# KiCad board unibone.kicad_pcb
title: UniBone Quad Height Flip Chip; date: 2018-04-27; rev: V1.0; company: retrocmp.com; note: Joerg Hoppe
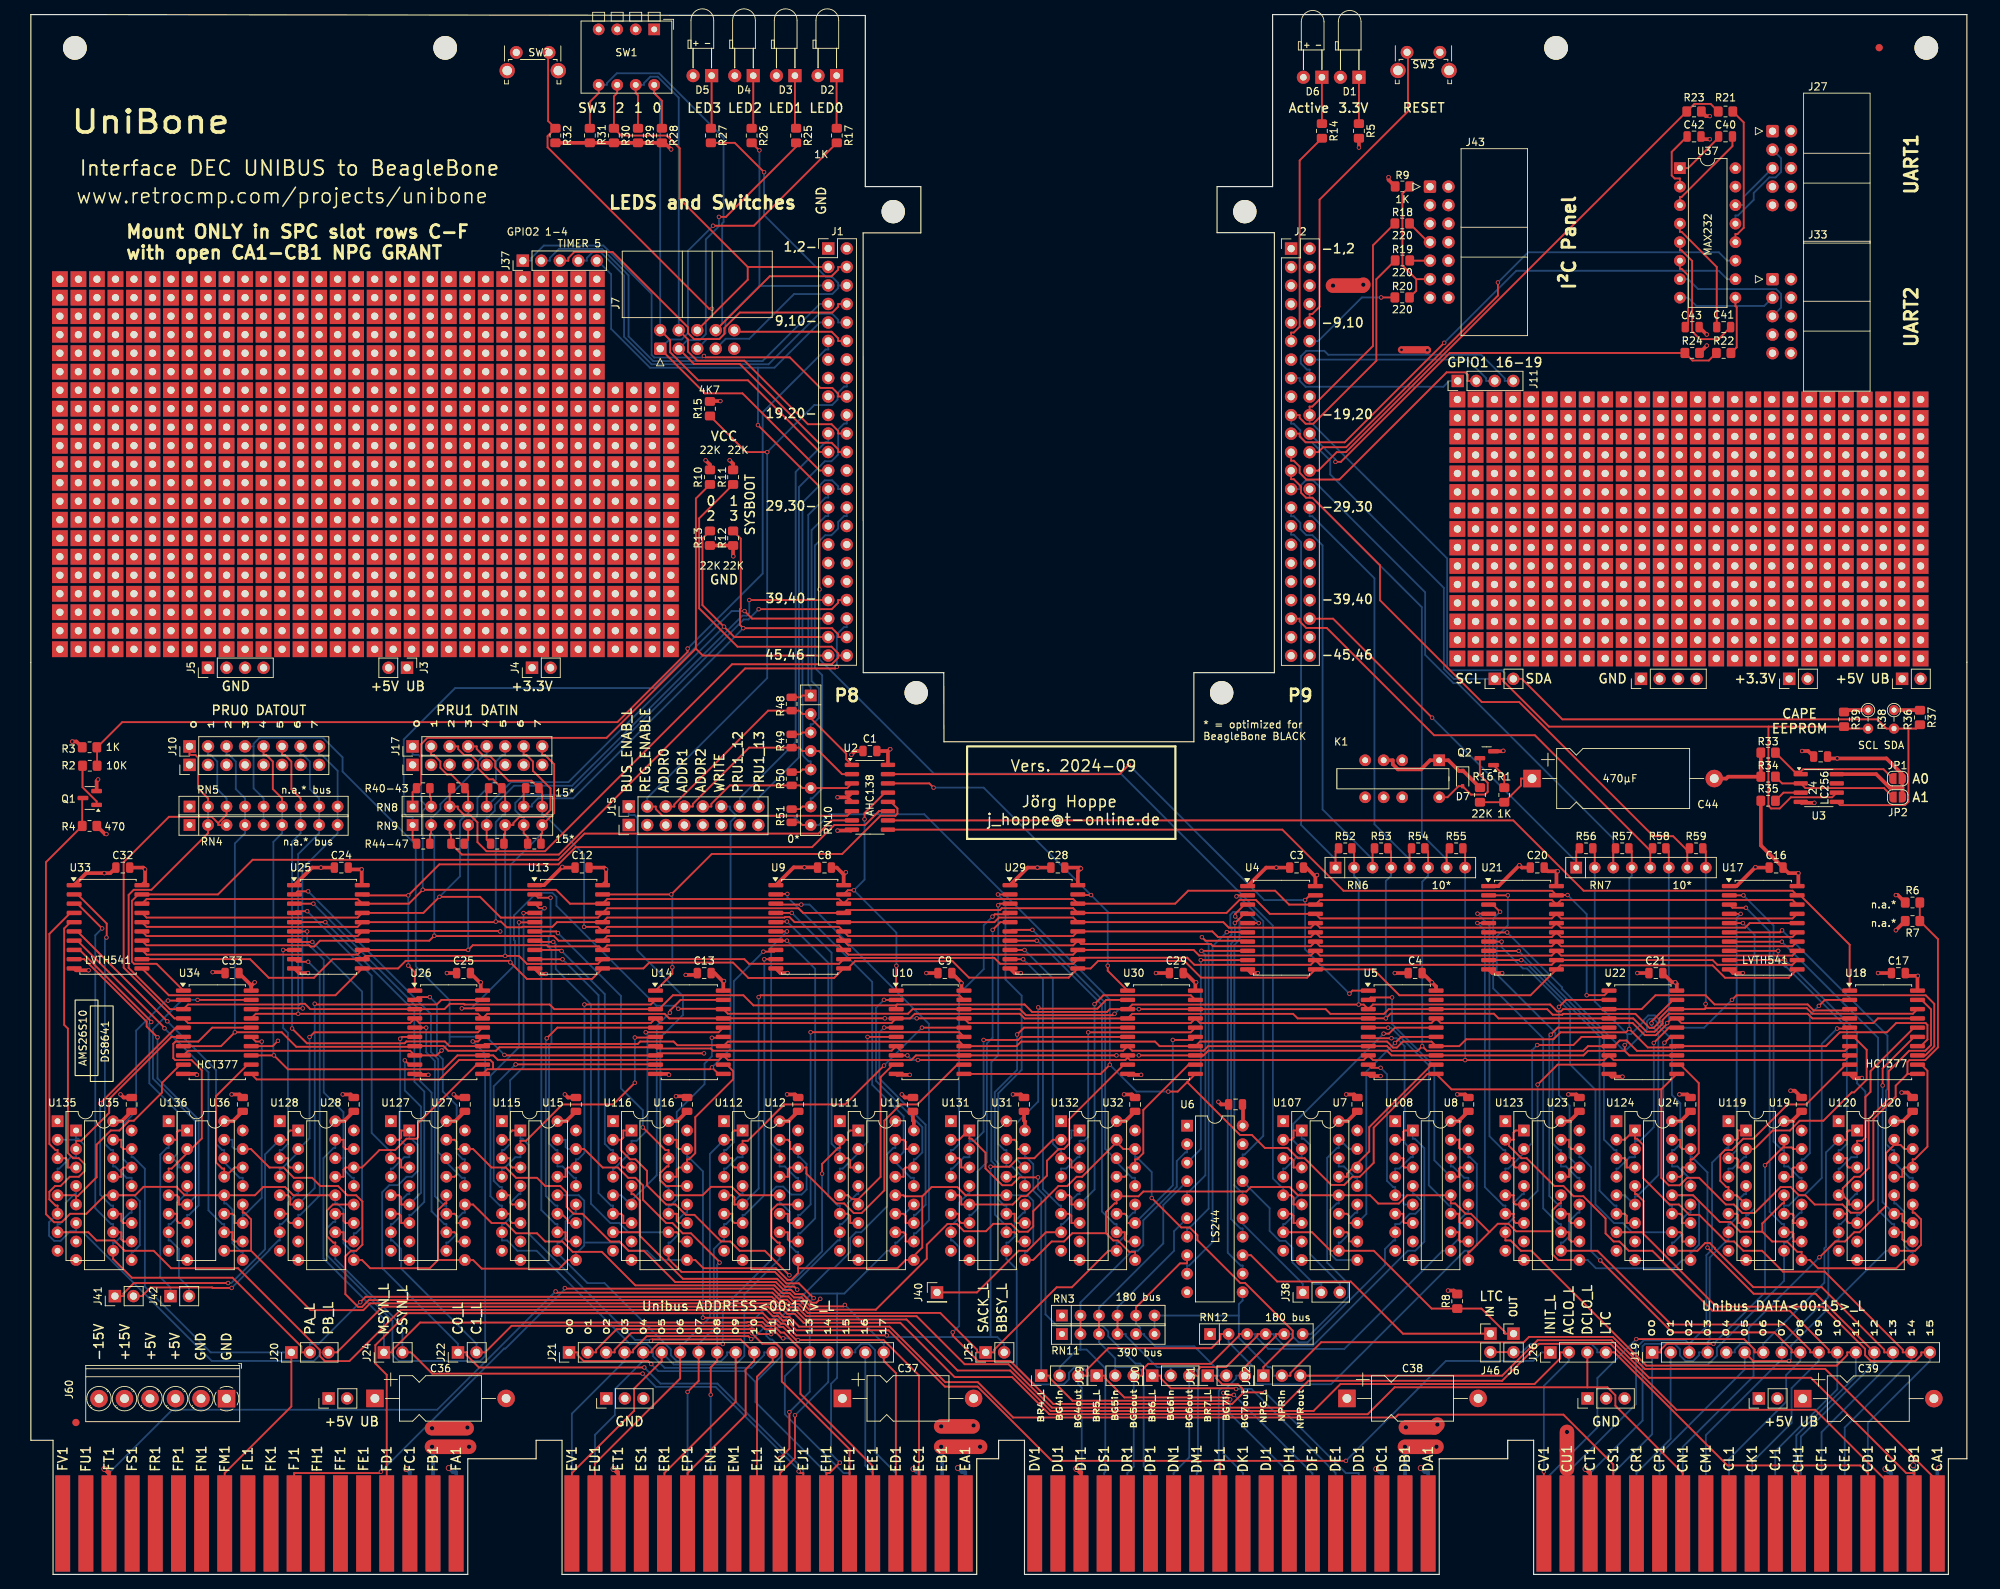
[diagram p0: board, top side]
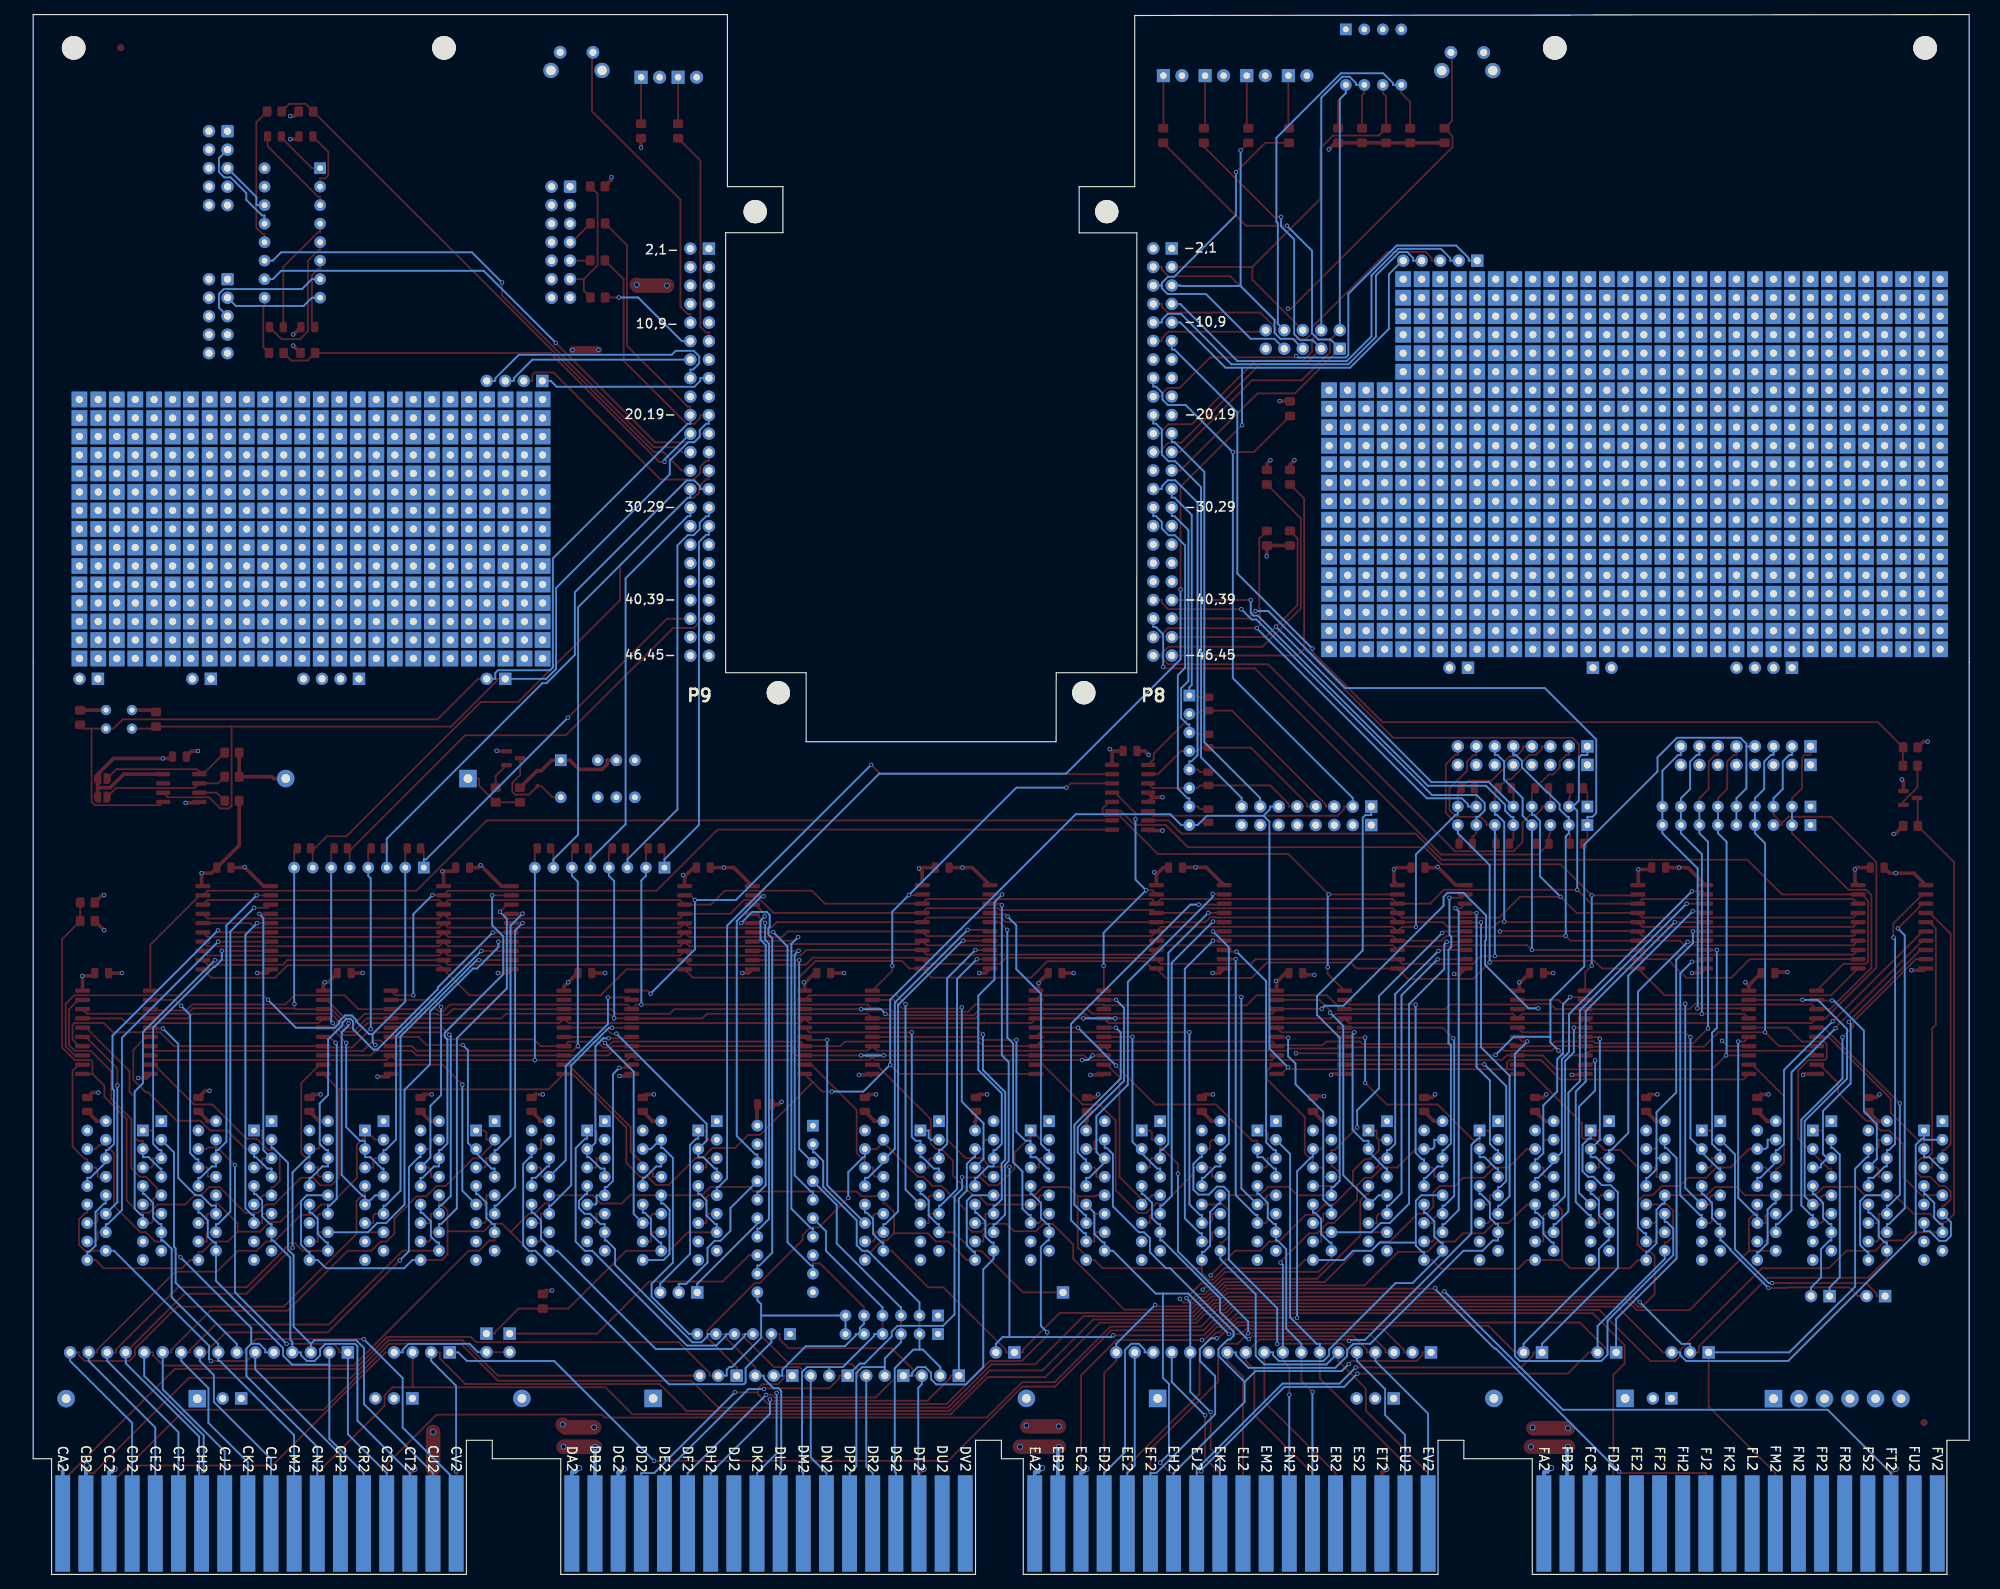
[diagram p1: board, bottom side, seen from below]

Outline 265.61 x 214.12 mm; copper layers: Top, In1.Cu (plane), In2.Cu (plane), Bottom. Coordinates in mm from the lower left corner of the outline.
Outline path: 0,214.12 0,18.41 3.05,18.41 3.05,0 59.94,0 59.94,15.88 69.32,15.88 69.32,18.41 72.87,18.41 72.87,0 129.77,0 129.77,15.88 132.77,15.88 132.77,18.41 136.32,18.41 136.32,0 193.22,0 193.22,15.88 202.62,15.88 202.62,18.41 206.17,18.41 206.17,0 263.07,0 263.07,15.88 265.61,15.88 265.61,214.12 170.36,214.12 170.36,190.5 162.74,190.5 162.74,184.18 170.6,184.18 170.6,123.78 159.56,123.78 159.56,114.3 125.27,114.3 125.25,123.78 114.2,123.78 114.18,184.15 122.1,184.15 122.1,190.5 114.48,190.5 114.48,214 0,214.12

## Placement (name value [footprint] x y rotation side)
_191105121140_0  -  [Lochraster_Square_breit]  226.15 158.75 0 top
_191105121140_1  -  [Lochraster_Square_breit]  223.61 158.75 0 top
_191105121140_2  -  [Lochraster_Square_breit]  221.07 158.75 0 top
_191105121140_3  -  [Lochraster_Square_breit]  223.61 156.21 0 top
_191105121140_4  -  [Lochraster_Square_breit]  226.15 156.21 0 top
_191105121140_5  -  [Lochraster_Square_breit]  221.07 156.21 0 top
_191105121140_6  -  [Lochraster_Square_breit]  221.07 153.67 0 top
_191105121140_7  -  [Lochraster_Square_breit]  223.61 153.67 0 top
_191105121140_8  -  [Lochraster_Square_breit]  221.07 151.13 0 top
_191105121140_9  -  [Lochraster_Square_breit]  226.15 153.67 0 top
_191105121140_10  -  [Lochraster_Square_breit]  223.61 151.13 0 top
_191105121140_11  -  [Lochraster_Square_breit]  226.15 151.13 0 top
_191105121140_12  -  [Lochraster_Square_breit]  223.61 148.59 0 top
_191105121140_13  -  [Lochraster_Square_breit]  221.07 148.59 0 top
_191105121140_14  -  [Lochraster_Square_breit]  226.15 148.59 0 top
_191105121140_15  -  [Lochraster_Square_breit]  221.07 146.05 0 top
_191105121140_16  -  [Lochraster_Square_breit]  223.61 146.05 0 top
_191105121140_17  -  [Lochraster_Square_breit]  226.15 146.05 0 top
_191105121140_18  -  [Lochraster_Square_breit]  223.61 143.51 0 top
_191105121140_19  -  [Lochraster_Square_breit]  221.07 143.51 0 top
_191105121140_20  -  [Lochraster_Square_breit]  226.15 143.51 0 top
_191105121140_21  -  [Lochraster_Square_breit]  226.15 138.43 0 top
_191105121140_22  -  [Lochraster_Square_breit]  226.15 140.97 0 top
_191105121140_23  -  [Lochraster_Square_breit]  221.07 140.97 0 top
_191105121140_24  -  [Lochraster_Square_breit]  221.07 138.43 0 top
_191105121140_25  -  [Lochraster_Square_breit]  223.61 138.43 0 top
_191105121140_26  -  [Lochraster_Square_breit]  223.61 140.97 0 top
_191105121140_27  -  [Lochraster_Square_breit]  223.61 135.89 0 top
_191105121140_28  -  [Lochraster_Square_breit]  221.07 135.89 0 top
_191105121140_29  -  [Lochraster_Square_breit]  226.15 135.89 0 top
_191105121140_30  -  [Lochraster_Square_breit]  221.07 133.35 0 top
_191105121140_31  -  [Lochraster_Square_breit]  226.15 133.35 0 top
_191105121140_32  -  [Lochraster_Square_breit]  223.61 133.35 0 top
_191105121140_33  -  [Lochraster_Square_breit]  226.15 130.81 0 top
_191105121140_34  -  [Lochraster_Square_breit]  221.07 130.81 0 top
_191105121140_35  -  [Lochraster_Square_breit]  223.61 130.81 0 top
_191105121140_36  -  [Lochraster_Square_breit]  226.15 128.27 0 top
_191105121140_37  -  [Lochraster_Square_breit]  223.61 161.29 0 top
_191105121140_38  -  [Lochraster_Square_breit]  223.61 128.27 0 top
_191105121140_39  -  [Lochraster_Square_breit]  221.07 161.29 0 top
_191105121140_40  -  [Lochraster_Square_breit]  226.15 161.29 0 top
_191105121140_41  -  [Lochraster_Square_breit]  221.07 128.27 0 top
_191105121140_42  -  [Lochraster_Square_breit]  223.61 125.73 0 top
_191105121140_43  -  [Lochraster_Square_breit]  221.07 125.73 0 top
_191105121140_44  -  [Lochraster_Square_breit]  226.15 125.73 0 top
_191105121140_45  -  [Lochraster_Square_breit]  218.53 158.75 0 top
_191105121140_46  -  [Lochraster_Square_breit]  215.99 158.75 0 top
_191105121140_47  -  [Lochraster_Square_breit]  213.45 158.75 0 top
_191105121140_48  -  [Lochraster_Square_breit]  210.91 158.75 0 top
_191105121140_49  -  [Lochraster_Square_breit]  208.37 158.75 0 top
_191105121140_50  -  [Lochraster_Square_breit]  210.91 156.21 0 top
_191105121140_51  -  [Lochraster_Square_breit]  213.45 156.21 0 top
_191105121140_52  -  [Lochraster_Square_breit]  208.37 156.21 0 top
_191105121140_53  -  [Lochraster_Square_breit]  208.37 153.67 0 top
_191105121140_54  -  [Lochraster_Square_breit]  210.91 153.67 0 top
_191105121140_55  -  [Lochraster_Square_breit]  215.99 156.21 0 top
_191105121140_56  -  [Lochraster_Square_breit]  218.53 156.21 0 top
_191105121140_57  -  [Lochraster_Square_breit]  215.99 153.67 0 top
_191105121140_58  -  [Lochraster_Square_breit]  218.53 153.67 0 top
_191105121140_59  -  [Lochraster_Square_breit]  208.37 151.13 0 top
_191105121140_60  -  [Lochraster_Square_breit]  213.45 153.67 0 top
_191105121140_61  -  [Lochraster_Square_breit]  210.91 151.13 0 top
_191105121140_62  -  [Lochraster_Square_breit]  218.53 151.13 0 top
_191105121140_63  -  [Lochraster_Square_breit]  215.99 151.13 0 top
_191105121140_64  -  [Lochraster_Square_breit]  213.45 151.13 0 top
_191105121140_65  -  [Lochraster_Square_breit]  210.91 148.59 0 top
_191105121140_66  -  [Lochraster_Square_breit]  208.37 148.59 0 top
_191105121140_67  -  [Lochraster_Square_breit]  213.45 148.59 0 top
_191105121140_68  -  [Lochraster_Square_breit]  208.37 146.05 0 top
_191105121140_69  -  [Lochraster_Square_breit]  210.91 146.05 0 top
_191105121140_70  -  [Lochraster_Square_breit]  215.99 146.05 0 top
_191105121140_71  -  [Lochraster_Square_breit]  218.53 146.05 0 top
_191105121140_72  -  [Lochraster_Square_breit]  213.45 146.05 0 top
_191105121140_73  -  [Lochraster_Square_breit]  218.53 148.59 0 top
_191105121140_74  -  [Lochraster_Square_breit]  215.99 148.59 0 top
_191105121140_75  -  [Lochraster_Square_breit]  218.53 143.51 0 top
_191105121140_76  -  [Lochraster_Square_breit]  210.91 143.51 0 top
_191105121140_77  -  [Lochraster_Square_breit]  208.37 143.51 0 top
_191105121140_78  -  [Lochraster_Square_breit]  215.99 143.51 0 top
_191105121140_79  -  [Lochraster_Square_breit]  213.45 143.51 0 top
_191105121140_80  -  [Lochraster_Square_breit]  213.45 138.43 0 top
_191105121140_81  -  [Lochraster_Square_breit]  213.45 140.97 0 top
_191105121140_82  -  [Lochraster_Square_breit]  208.37 140.97 0 top
_191105121140_83  -  [Lochraster_Square_breit]  215.99 140.97 0 top
_191105121140_84  -  [Lochraster_Square_breit]  208.37 138.43 0 top
_191105121140_85  -  [Lochraster_Square_breit]  218.53 138.43 0 top
_191105121140_86  -  [Lochraster_Square_breit]  210.91 138.43 0 top
_191105121140_87  -  [Lochraster_Square_breit]  218.53 140.97 0 top
_191105121140_88  -  [Lochraster_Square_breit]  210.91 140.97 0 top
_191105121140_89  -  [Lochraster_Square_breit]  218.53 135.89 0 top
_191105121140_90  -  [Lochraster_Square_breit]  210.91 135.89 0 top
_191105121140_91  -  [Lochraster_Square_breit]  208.37 135.89 0 top
_191105121140_92  -  [Lochraster_Square_breit]  213.45 135.89 0 top
_191105121140_93  -  [Lochraster_Square_breit]  208.37 133.35 0 top
_191105121140_94  -  [Lochraster_Square_breit]  215.99 138.43 0 top
_191105121140_95  -  [Lochraster_Square_breit]  215.99 135.89 0 top
_191105121140_96  -  [Lochraster_Square_breit]  213.45 133.35 0 top
_191105121140_97  -  [Lochraster_Square_breit]  210.91 133.35 0 top
_191105121140_98  -  [Lochraster_Square_breit]  218.53 133.35 0 top
_191105121140_99  -  [Lochraster_Square_breit]  213.45 130.81 0 top
_191105121140_100  -  [Lochraster_Square_breit]  215.99 133.35 0 top
_191105121140_101  -  [Lochraster_Square_breit]  208.37 130.81 0 top
_191105121140_102  -  [Lochraster_Square_breit]  210.91 130.81 0 top
_191105121140_103  -  [Lochraster_Square_breit]  213.45 128.27 0 top
_191105121140_104  -  [Lochraster_Square_breit]  210.91 161.29 0 top
_191105121140_105  -  [Lochraster_Square_breit]  218.53 161.29 0 top
_191105121140_106  -  [Lochraster_Square_breit]  210.91 128.27 0 top
_191105121140_107  -  [Lochraster_Square_breit]  208.37 161.29 0 top
_191105121140_108  -  [Lochraster_Square_breit]  215.99 161.29 0 top
_191105121140_109  -  [Lochraster_Square_breit]  213.45 161.29 0 top
_191105121140_110  -  [Lochraster_Square_breit]  215.99 128.27 0 top
_191105121140_111  -  [Lochraster_Square_breit]  218.53 128.27 0 top
_191105121140_112  -  [Lochraster_Square_breit]  208.37 128.27 0 top
_191105121140_113  -  [Lochraster_Square_breit]  218.53 130.81 0 top
_191105121140_114  -  [Lochraster_Square_breit]  215.99 130.81 0 top
_191105121140_115  -  [Lochraster_Square_breit]  215.99 125.73 0 top
_191105121140_116  -  [Lochraster_Square_breit]  218.53 125.73 0 top
_191105121140_117  -  [Lochraster_Square_breit]  210.91 125.73 0 top
_191105121140_118  -  [Lochraster_Square_breit]  208.37 125.73 0 top
_191105121140_119  -  [Lochraster_Square_breit]  213.45 125.73 0 top
_191105121140_120  -  [Lochraster_Square_breit]  16.69 177.8 0 top
_191105121140_122  -  [Lochraster_Square_breit]  34.47 177.8 0 top
_191105121140_124  -  [Lochraster_Square_breit]  47.17 177.8 0 top
_191105121140_125  -  [Lochraster_Square_breit]  19.23 177.8 0 top
_191105121140_126  -  [Lochraster_Square_breit]  57.33 177.8 0 top
_191105121140_128  -  [Lochraster_Square_breit]  67.49 177.8 0 top
_191105121140_129  -  [Lochraster_Square_breit]  42.09 177.8 0 top
_191105121140_130  -  [Lochraster_Square_breit]  39.55 177.8 0 top
_191105121140_131  -  [Lochraster_Square_breit]  3.99 177.8 0 top
_191105121140_132  -  [Lochraster_Square_breit]  75.11 177.8 0 top
_191105121140_133  -  [Lochraster_Square_breit]  21.77 177.8 0 top
_191105121140_135  -  [Lochraster_Square_breit]  64.95 177.8 0 top
_191105121140_136  -  [Lochraster_Square_breit]  77.65 177.8 0 top
_191105121140_137  -  [Lochraster_Square_breit]  14.15 177.8 0 top
_191105121140_138  -  [Lochraster_Square_breit]  6.53 177.8 0 top
_191105121140_139  -  [Lochraster_Square_breit]  11.61 177.8 0 top
_191105121140_140  -  [Lochraster_Square_breit]  29.39 177.8 0 top
_191105121140_141  -  [Lochraster_Square_breit]  26.85 177.8 0 top
_191105121140_142  -  [Lochraster_Square_breit]  37.01 177.8 0 top
_191105121140_143  -  [Lochraster_Square_breit]  24.31 177.8 0 top
_191105121140_144  -  [Lochraster_Square_breit]  59.87 177.8 0 top
_191105121140_145  -  [Lochraster_Square_breit]  62.41 177.8 0 top
_191105121140_146  -  [Lochraster_Square_breit]  49.71 177.8 0 top
_191105121140_147  -  [Lochraster_Square_breit]  72.57 177.8 0 top
_191105121140_148  -  [Lochraster_Square_breit]  70.03 177.8 0 top
_191105121140_149  -  [Lochraster_Square_breit]  54.79 177.8 0 top
_191105121140_151  -  [Lochraster_Square_breit]  52.25 177.8 0 top
_191105121140_152  -  [Lochraster_Square_breit]  44.63 177.8 0 top
_191105121140_153  -  [Lochraster_Square_breit]  31.93 177.8 0 top
_191105121140_154  -  [Lochraster_Square_breit]  9.07 177.8 0 top
_191105121140_155  -  [Lochraster_Square_breit]  37.01 175.26 0 top
_191105121140_156  -  [Lochraster_Square_breit]  24.31 175.26 0 top
_191105121140_157  -  [Lochraster_Square_breit]  54.79 175.26 0 top
_191105121140_158  -  [Lochraster_Square_breit]  16.69 175.26 0 top
_191105121140_159  -  [Lochraster_Square_breit]  52.25 175.26 0 top
_191105121140_160  -  [Lochraster_Square_breit]  59.87 175.26 0 top
_191105121140_162  -  [Lochraster_Square_breit]  47.17 175.26 0 top
_191105121140_163  -  [Lochraster_Square_breit]  11.61 175.26 0 top
_191105121140_164  -  [Lochraster_Square_breit]  19.23 175.26 0 top
_191105121140_165  -  [Lochraster_Square_breit]  57.33 175.26 0 top
_191105121140_166  -  [Lochraster_Square_breit]  70.03 175.26 0 top
_191105121140_167  -  [Lochraster_Square_breit]  34.47 175.26 0 top
_191105121140_169  -  [Lochraster_Square_breit]  49.71 175.26 0 top
_191105121140_170  -  [Lochraster_Square_breit]  44.63 175.26 0 top
_191105121140_171  -  [Lochraster_Square_breit]  26.85 175.26 0 top
_191105121140_172  -  [Lochraster_Square_breit]  31.93 175.26 0 top
_191105121140_173  -  [Lochraster_Square_breit]  67.49 175.26 0 top
_191105121140_174  -  [Lochraster_Square_breit]  42.09 175.26 0 top
_191105121140_175  -  [Lochraster_Square_breit]  39.55 175.26 0 top
_191105121140_176  -  [Lochraster_Square_breit]  64.95 175.26 0 top
_191105121140_179  -  [Lochraster_Square_breit]  21.77 175.26 0 top
_191105121140_180  -  [Lochraster_Square_breit]  29.39 175.26 0 top
_191105121140_181  -  [Lochraster_Square_breit]  3.99 175.26 0 top
_191105121140_183  -  [Lochraster_Square_breit]  77.65 175.26 0 top
_191105121140_184  -  [Lochraster_Square_breit]  62.41 175.26 0 top
_191105121140_185  -  [Lochraster_Square_breit]  14.15 175.26 0 top
_191105121140_186  -  [Lochraster_Square_breit]  9.07 175.26 0 top
_191105121140_187  -  [Lochraster_Square_breit]  75.11 175.26 0 top
_191105121140_188  -  [Lochraster_Square_breit]  72.57 175.26 0 top
_191105121140_189  -  [Lochraster_Square_breit]  6.53 175.26 0 top
_191105121140_190  -  [Lochraster_Square_breit]  37.01 172.72 0 top
_191105121140_191  -  [Lochraster_Square_breit]  54.79 172.72 0 top
_191105121140_192  -  [Lochraster_Square_breit]  24.31 172.72 0 top
_191105121140_193  -  [Lochraster_Square_breit]  16.69 172.72 0 top
_191105121140_194  -  [Lochraster_Square_breit]  52.25 172.72 0 top
_191105121140_195  -  [Lochraster_Square_breit]  59.87 172.72 0 top
_191105121140_197  -  [Lochraster_Square_breit]  47.17 172.72 0 top
_191105121140_198  -  [Lochraster_Square_breit]  11.61 172.72 0 top
_191105121140_199  -  [Lochraster_Square_breit]  3.99 172.72 0 top
_191105121140_200  -  [Lochraster_Square_breit]  19.23 172.72 0 top
_191105121140_202  -  [Lochraster_Square_breit]  70.03 172.72 0 top
_191105121140_203  -  [Lochraster_Square_breit]  57.33 172.72 0 top
_191105121140_204  -  [Lochraster_Square_breit]  34.47 172.72 0 top
_191105121140_206  -  [Lochraster_Square_breit]  49.71 172.72 0 top
_191105121140_207  -  [Lochraster_Square_breit]  26.85 172.72 0 top
_191105121140_208  -  [Lochraster_Square_breit]  31.93 172.72 0 top
_191105121140_209  -  [Lochraster_Square_breit]  67.49 172.72 0 top
_191105121140_210  -  [Lochraster_Square_breit]  42.09 172.72 0 top
_191105121140_211  -  [Lochraster_Square_breit]  44.63 172.72 0 top
_191105121140_212  -  [Lochraster_Square_breit]  9.07 172.72 0 top
_191105121140_213  -  [Lochraster_Square_breit]  39.55 172.72 0 top
_191105121140_214  -  [Lochraster_Square_breit]  64.95 172.72 0 top
_191105121140_215  -  [Lochraster_Square_breit]  77.65 172.72 0 top
_191105121140_216  -  [Lochraster_Square_breit]  72.57 172.72 0 top
_191105121140_219  -  [Lochraster_Square_breit]  75.11 172.72 0 top
_191105121140_220  -  [Lochraster_Square_breit]  21.77 172.72 0 top
_191105121140_221  -  [Lochraster_Square_breit]  62.41 172.72 0 top
_191105121140_222  -  [Lochraster_Square_breit]  29.39 172.72 0 top
_191105121140_223  -  [Lochraster_Square_breit]  14.15 172.72 0 top
_191105121140_224  -  [Lochraster_Square_breit]  6.53 172.72 0 top
_191105121140_225  -  [Lochraster_Square_breit]  37.01 170.18 0 top
_191105121140_226  -  [Lochraster_Square_breit]  54.79 170.18 0 top
_191105121140_227  -  [Lochraster_Square_breit]  24.31 170.18 0 top
_191105121140_228  -  [Lochraster_Square_breit]  77.65 170.18 0 top
_191105121140_229  -  [Lochraster_Square_breit]  31.93 170.18 0 top
_191105121140_230  -  [Lochraster_Square_breit]  16.69 170.18 0 top
_191105121140_231  -  [Lochraster_Square_breit]  42.09 170.18 0 top
_191105121140_232  -  [Lochraster_Square_breit]  52.25 170.18 0 top
_191105121140_233  -  [Lochraster_Square_breit]  21.77 170.18 0 top
_191105121140_234  -  [Lochraster_Square_breit]  72.57 170.18 0 top
_191105121140_235  -  [Lochraster_Square_breit]  47.17 170.18 0 top
_191105121140_236  -  [Lochraster_Square_breit]  67.49 170.18 0 top
_191105121140_237  -  [Lochraster_Square_breit]  44.63 170.18 0 top
_191105121140_238  -  [Lochraster_Square_breit]  11.61 170.18 0 top
_191105121140_239  -  [Lochraster_Square_breit]  3.99 170.18 0 top
_191105121140_241  -  [Lochraster_Square_breit]  19.23 170.18 0 top
_191105121140_243  -  [Lochraster_Square_breit]  39.55 170.18 0 top
_191105121140_244  -  [Lochraster_Square_breit]  59.87 170.18 0 top
_191105121140_245  -  [Lochraster_Square_breit]  9.07 170.18 0 top
_191105121140_246  -  [Lochraster_Square_breit]  70.03 170.18 0 top
_191105121140_248  -  [Lochraster_Square_breit]  75.11 170.18 0 top
_191105121140_249  -  [Lochraster_Square_breit]  62.41 170.18 0 top
_191105121140_250  -  [Lochraster_Square_breit]  26.85 170.18 0 top
_191105121140_251  -  [Lochraster_Square_breit]  49.71 170.18 0 top
_191105121140_252  -  [Lochraster_Square_breit]  57.33 170.18 0 top
_191105121140_253  -  [Lochraster_Square_breit]  34.47 170.18 0 top
_191105121140_256  -  [Lochraster_Square_breit]  64.95 170.18 0 top
_191105121140_257  -  [Lochraster_Square_breit]  29.39 170.18 0 top
_191105121140_258  -  [Lochraster_Square_breit]  14.15 170.18 0 top
_191105121140_259  -  [Lochraster_Square_breit]  6.53 170.18 0 top
_191105121140_260  -  [Lochraster_Square_breit]  37.01 167.64 0 top
_191105121140_261  -  [Lochraster_Square_breit]  24.31 167.64 0 top